# KiCad board SofleKeyboard.kicad_pcb (continued)
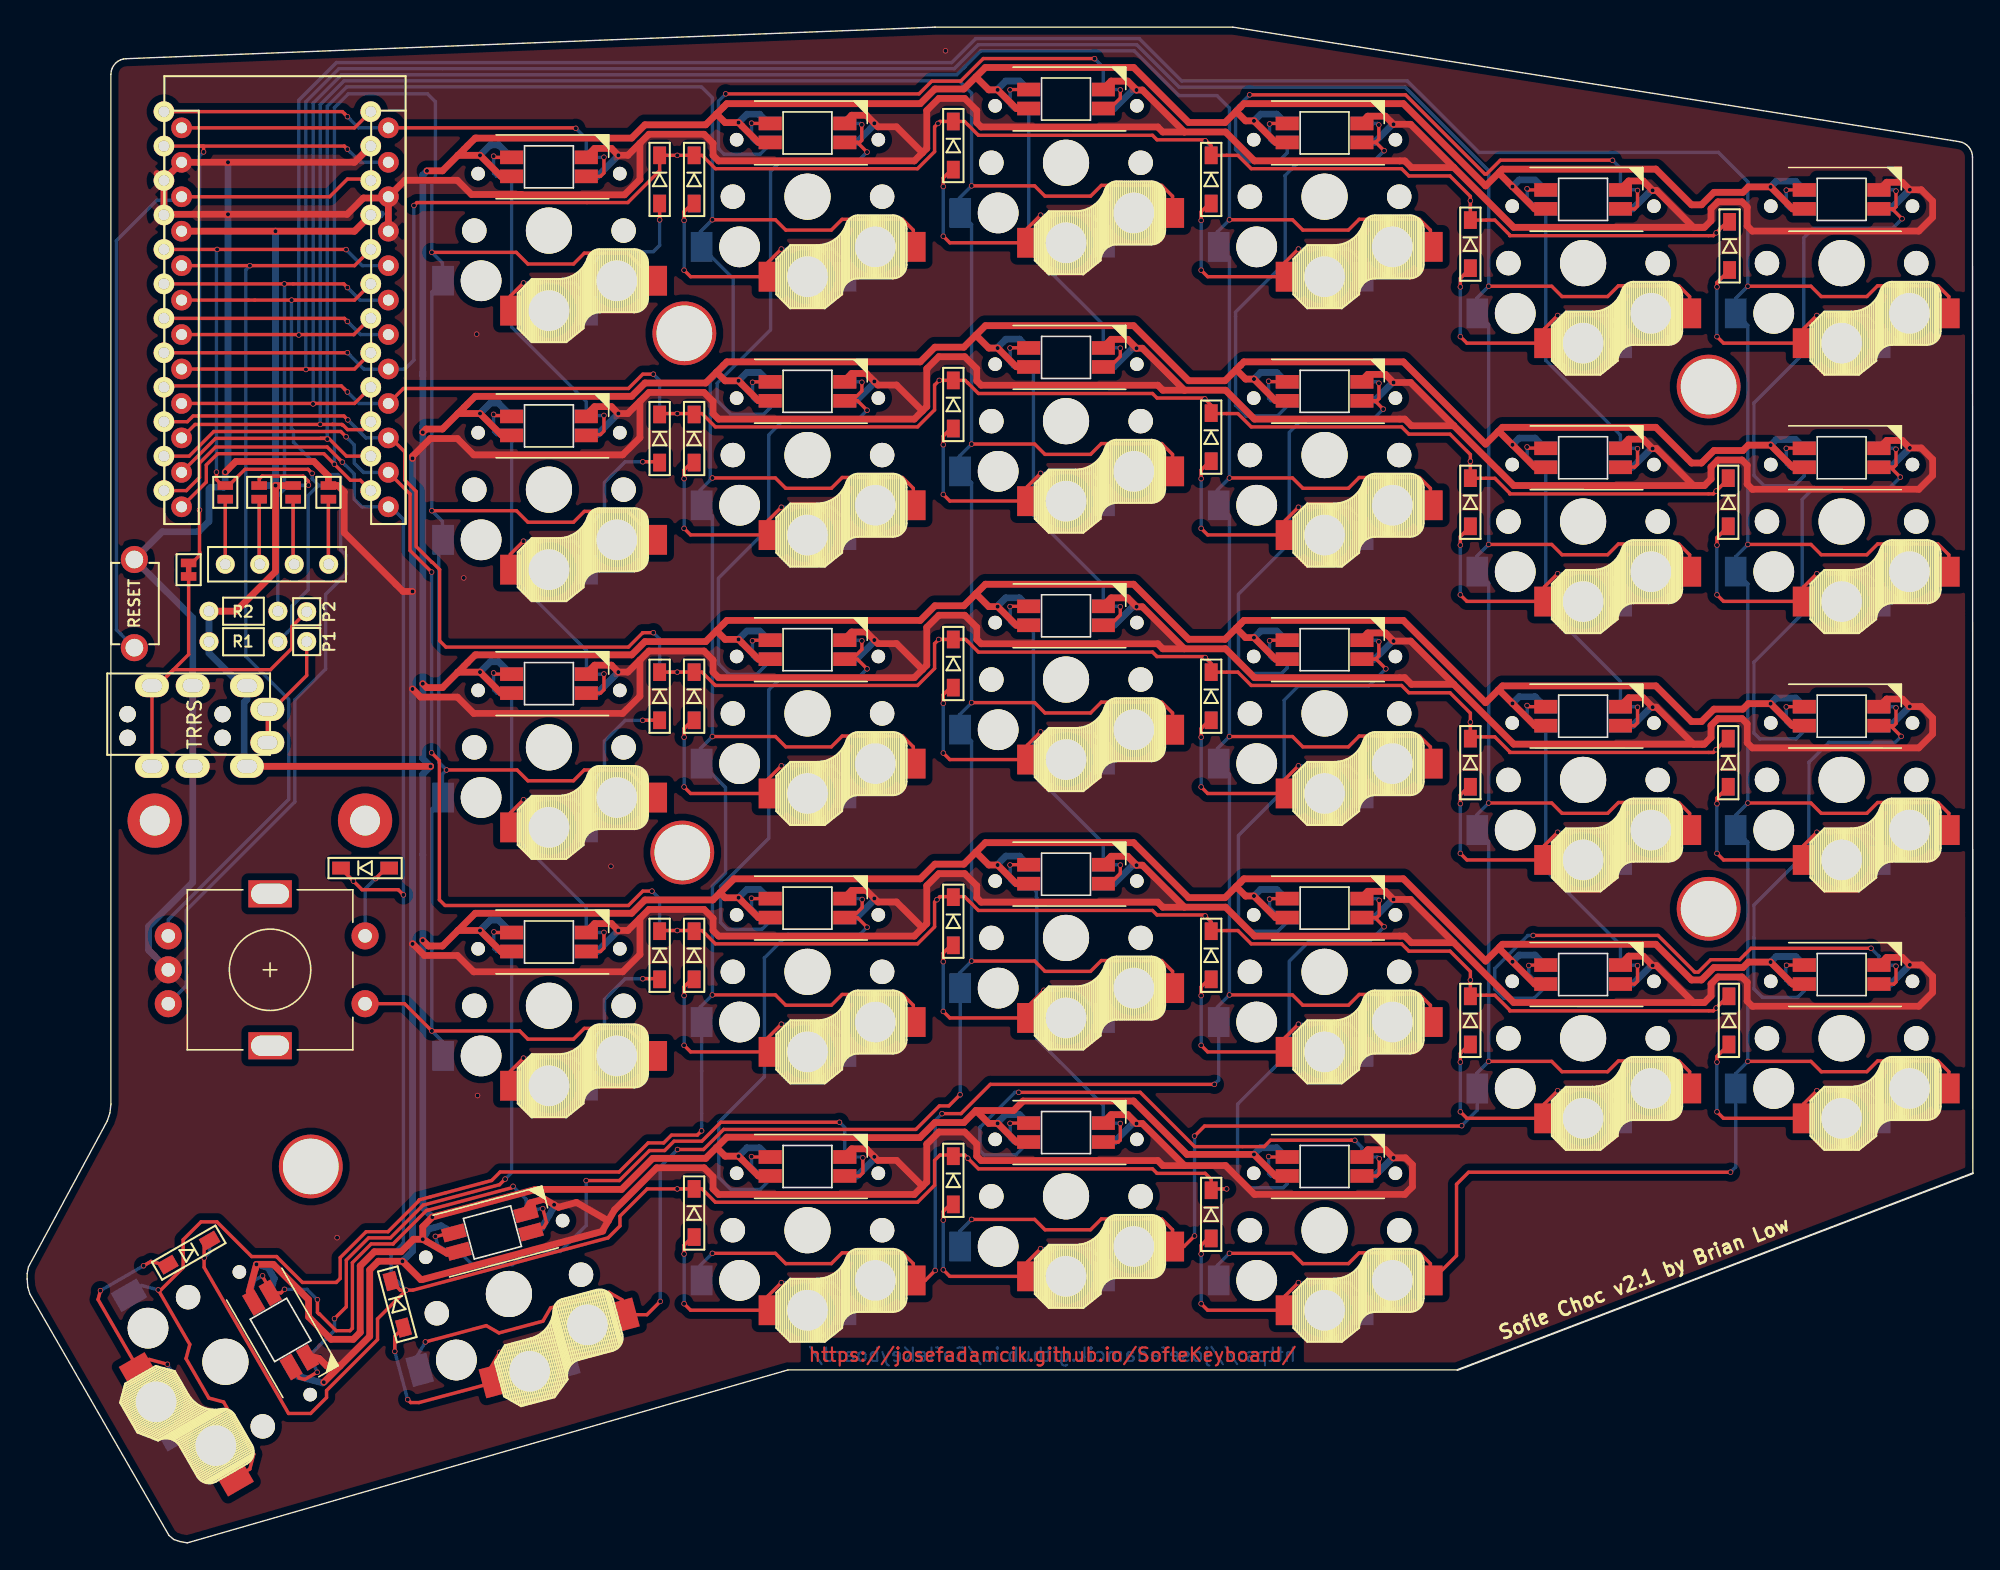
[diagram p0: board, top side]
## Routing (per net, layer and track width the routed paths; a pad name or vN(x,y) marks a point on that pad's centre or on a via; arc(x,y) is an arc through that point) (continued)
Net-(SW4-Pad2): length 49.5
  Top w0.25: SW4.2 91.59,104.65 v1(91.55,104.61) ; v1(118.66,99.71) 118.66,98.56 118.45,98.35 117.35,98.35 ; v1(116.82,101.93) 116.78,101.9 116.78,101.94 108.55,101.94 107.54,100.92 107.4,100.92 101.57,106.76 v1(90.08,106.76)
  Bottom w0.25: 117.35,99.75 118.62,99.75 v1(118.66,99.71) ; v1(91.55,104.61) 91.55,103.45 91.75,103.25 SW4.2 92.85,102.48 92.18,101.81 89.96,101.81 89.04,102.73 89.04,105.72 v1(90.08,106.76) ; SW5.4 117.4,101.35 v1(116.82,101.93)
Net-(SW6-Pad2): length 3.9
  Top w0.25: v1(129.62,99.73) 129.64,99.75 SW6.2
  Bottom w0.25: SW6.2 129.85,98.35 129.62,98.58 v1(129.62,99.73)
Net-(SW10-Pad2): length 41
  Top w0.25: v1(91.48,85.64) 91.51,85.61 92.75,85.61 ; 98.25,103.25 99.35,103.25 99.6,103.5 v1(99.6,104.54) ; SW4.4 99.38,103.25 v1(99.99,102.64)
  Bottom w0.25: 92.75,84.21 91.65,84.21 91.48,84.39 v1(91.48,85.64) ; v1(99.6,104.54) 99.49,104.65 98.25,104.65 ; 92.85,84.2 92.85,83.82 92.12,83.08 89.83,83.08 89.04,83.87 89.04,90.74 92.69,94.38 92.69,100.8 93.64,101.75 99.1,101.75 v1(99.99,102.64)
Net-(SW10-Pad4): length 40.4
  Top w0.25: v1(91.55,66.51) 91.59,66.55 SW16.2 ; v1(99.93,83.59) 99.31,84.2 98.35,84.2 99.45,84.2 99.61,84.36 v1(99.61,85.49)
  Bottom w0.25: 98.35,85.6 99.5,85.6 v1(99.61,85.49) ; v1(99.93,83.59) 99.3,82.96 94.09,82.96 93,81.87 93,73.68 89.26,69.94 89.26,64.86 90.02,64.09 92.43,64.09 92.85,64.51 SW16.2 91.75,65.15 91.55,65.35 v1(91.55,66.51)
Net-(SW11-Pad2): length 27.5
  Top w0.25: v1(110.52,80.8) 110.61,80.71 111.85,80.71 ; v1(118.66,61.61) 118.66,60.46 118.45,60.25 117.35,60.25
  Bottom w0.25: 111.85,79.31 111.31,79.31 110.52,80.1 v1(110.52,80.8) ; 117.35,61.65 118.62,61.65 v1(118.66,61.61) ; SW17.4 117.4,63.51 111.9,69.01 SW11.2
Net-(SW11-Pad4): length 27.5
  Top w0.25: v1(118.66,80.67) 118.66,79.52 118.45,79.31 117.35,79.31 ; v1(110.52,99.84) 110.61,99.75 111.85,99.75
  Bottom w0.25: 117.35,80.71 118.62,80.71 v1(118.66,80.67) ; SW5.2 111.9,87.17 117.4,81.67 SW11.4 ; 111.85,98.35 111.31,98.35 110.52,99.14 v1(110.52,99.84)
Net-(SW12-Pad2): length 41.7
  Top w0.25: v1(129.62,80.7) 129.64,80.71 130.95,80.71 ; v1(137.71,99.66) 137.71,98.51 137.55,98.35 SW6.4 137.43,98.35 v1(138.15,97.62)
  Bottom w0.25: 130.95,79.31 129.85,79.31 129.62,79.54 v1(129.62,80.7) ; 130.82,79.3 SW12.2 130.95,78.67 130.22,77.94 127.99,77.94 127.24,78.69 127.24,84.04 130.91,87.72 130.91,96.22 131.61,96.92 137.45,96.92 v1(138.15,97.62) ; v1(137.71,99.66) 137.62,99.75 SW6.4
Net-(SW12-Pad4): length 40.7
  Top w0.25: v1(129.62,61.63) 129.64,61.65 SW18.2 ; 136.45,79.31 137.55,79.31 137.71,79.47 v1(137.71,80.63) ; v1(138.03,78.57) 137.3,79.3 SW12.4
  Bottom w0.25: v1(129.62,61.63) 129.62,60.48 129.85,60.25 SW18.2 130.95,59.88 130.34,59.27 127.68,59.27 127.24,59.7 127.24,64.93 130.79,68.48 130.79,76.92 131.68,77.81 137.26,77.81 v1(138.03,78.57) ; v1(137.71,80.63) 137.62,80.71 136.45,80.71
Net-(SW13-Pad2): length 27.9
  Top w0.25: 41.15,43.6 42.25,43.6 42.5,43.85 v1(42.5,45.01) ; SW13.2 34.46,64.05 v1(34.37,64.14)
  Bottom w0.25: v1(34.37,64.14) 34.37,62.88 34.6,62.65 SW13.2 35.7,52.35 41.2,46.85 SW19.4 ; v1(42.5,45.01) 42.49,45 41.15,45
Net-(SW13-Pad4): length 27.9
  Top w0.25: 41.15,62.65 42.25,62.65 42.5,62.9 v1(42.5,64.06) ; 35.7,83.11 34.46,83.11 v1(34.37,83.2)
  Bottom w0.25: v1(34.37,83.2) 34.37,81.94 34.6,81.71 35.7,81.71 ; v1(42.5,64.06) 42.49,64.05 41.15,64.05 ; SW7.2 35.7,71.3 41.21,65.78 41.21,64.06 SW13.4
Net-(SW14-Pad2): length 40.3
  Top w0.25: v1(61.89,83.5) 61.19,84.2 60.25,84.2 60.79,84.2 61.51,84.92 v1(61.51,85.57) ; v1(53.44,66.51) 53.49,66.55 SW14.2
  Bottom w0.25: v1(61.89,83.5) 61.09,82.7 55.67,82.7 54.65,81.68 54.65,74.83 50.94,71.12 50.94,64.82 51.73,64.03 53.76,64.03 54.75,65.02 SW14.2 53.65,65.15 53.44,65.36 v1(53.44,66.51) ; v1(61.51,85.57) 61.48,85.6 60.25,85.6
Net-(SW14-Pad4): length 39.8
  Top w0.25: v1(53.37,47.53) 53.4,47.5 54.65,47.5 ; v1(61.51,66.5) 61.51,65.87 60.79,65.15 SW14.4 61.18,65.15 v1(61.89,64.44)
  Bottom w0.25: 54.65,46.1 54.11,46.1 53.37,46.84 v1(53.37,47.53) ; v1(61.51,66.5) 61.46,66.55 SW14.4 ; v1(61.89,64.44) 61.23,63.78 55.54,63.78 54.65,62.89 54.65,51.95 51.09,48.39 51.09,45.74 51.6,45.23 54.14,45.23 54.75,45.84 SW20.2
Net-(SW15-Pad2): length 27.4
  Top w0.25: v1(72.43,69.03) 72.45,69.05 73.75,69.05 ; 79.25,48.6 79.79,48.6 80.55,49.36 v1(80.55,49.97)
  Bottom w0.25: 73.75,67.65 72.65,67.65 72.43,67.87 v1(72.43,69.03) ; 79.25,50 80.52,50 v1(80.55,49.97) ; SW15.2 74.14,67.3 74.14,56.73 79.3,51.57 SW21.4
Net-(SW15-Pad4): length 27.4
  Top w0.25: v1(72.43,88.09) 72.45,88.11 73.75,88.11 ; 79.25,67.65 79.79,67.65 80.55,68.41 v1(80.55,69.02)
  Bottom w0.25: 73.75,86.71 72.65,86.71 72.43,86.94 v1(72.43,88.09) ; 79.25,69.05 80.52,69.05 v1(80.55,69.02) ; SW15.4 79.3,70.62 74.14,75.78 74.14,86.35 73.8,86.7
Net-(SW16-Pad4): length 40.2
  Top w0.25: v1(99.6,66.44) 99.6,65.4 99.35,65.15 98.25,65.15 ; v1(91.55,47.46) 91.59,47.5 SW22.2 ; SW16.4 99.41,65.15 v1(100.12,64.44)
  Bottom w0.25: v1(99.6,66.44) 99.49,66.55 98.25,66.55 ; v1(100.12,64.44) 98.85,63.18 93.67,63.18 92.62,62.13 92.62,55.52 89.26,52.16 89.26,45.74 89.89,45.11 92.18,45.11 92.85,45.78 SW22.2 92.31,46.1 91.55,46.87 v1(91.55,47.46)
Net-(SW17-Pad2): length 27.5
  Top w0.25: v1(110.52,61.74) 110.61,61.65 111.85,61.65 ; v1(118.66,42.56) 118.66,41.41 118.45,41.2 117.35,41.2
  Bottom w0.25: 111.85,60.25 111.31,60.25 110.52,61.04 v1(110.52,61.74) ; 117.35,42.6 118.62,42.6 v1(118.66,42.56) ; SW17.2 111.9,49.58 117.4,44.08 SW23.4
Net-(SW18-Pad4): length 40.4
  Top w0.25: v1(137.71,61.56) 137.71,60.41 137.55,60.25 SW18.4 137.3,60.25 v1(138.09,59.46) ; 129.58,42.63 129.61,42.6 SW24.2
  Bottom w0.25: v1(137.71,61.56) 137.62,61.65 SW18.4 ; v1(138.09,59.46) 137.64,59.01 132.76,59.01 131.29,57.55 131.29,51.08 127.24,47.02 127.24,40.84 127.87,40.22 130.47,40.22 130.95,40.7 SW24.2 129.85,41.2 129.58,41.47 129.58,42.63
  vias: v1(129.64,42.58)
Net-(SW19-Pad2): length 47
  Top w0.25: v1(21.37,12.58) 20.45,12.05 20.05,12.16 19.5,13.11 ; v1(22.65,16.53) 23.52,17.4 23.52,20.84 25.16,22.49 26.77,22.49 29.18,24.9 34.81,26.41 v1(35.22,26.82) ; v1(34.39,45.04) 34.44,45 SW19.2
  Bottom w0.25: 20.71,13.81 21.39,12.64 v1(21.37,12.58) ; v1(35.22,26.82) 35.7,27.3 SW19.2 34.6,43.6 34.39,43.81 v1(34.39,45.04) ; v1(22.65,16.53) 22.65,15.65 SW26.4
Net-(SW20-Pad4): length 40
  Top w0.25: v1(53.37,28.48) 53.4,28.45 54.65,28.45 ; v1(61.89,45.39) 61.18,46.1 SW20.4 ; SW20.4 60.47,46.1 ; SW20.4 60.79,46.1 61.53,46.84 v1(61.53,47.44)
  Bottom w0.25: 54.65,27.05 54.11,27.05 53.37,27.79 v1(53.37,28.48) ; v1(61.89,45.39) 61.36,44.86 56.06,44.86 54.33,43.13 54.33,34.37 50.97,31.01 50.97,26.95 51.86,26.06 54.02,26.06 54.75,26.79 54.75,27.05 ; v1(61.53,47.44) 61.47,47.5 SW20.4
Net-(SW21-Pad2): length 27.6
  Top w0.25: v1(72.43,49.98) 72.45,50 73.75,50 ; 79.3,29.55 80.4,29.55 80.55,29.7 v1(80.55,30.92)
  Bottom w0.25: 73.75,48.6 72.65,48.6 72.43,48.82 v1(72.43,49.98) ; v1(80.55,30.92) 80.52,30.95 SW29.4 79.3,32.27 74.4,37.17 74.4,47.56 74.36,47.59 74.36,48.03 SW21.2
Net-(SW22-Pad4): length 39.9
  Top w0.25: v1(91.48,28.48) 91.51,28.45 92.75,28.45 ; v1(99.99,45.42) 99.31,46.1 SW22.4 99.45,46.1 99.63,46.28 v1(99.63,47.37)
  Bottom w0.25: 92.75,27.05 91.65,27.05 91.48,27.22 v1(91.48,28.48) ; v1(99.99,45.42) 98.97,44.41 94.53,44.41 93,42.88 93,36.15 89.19,32.34 89.19,26.82 89.83,26.18 92.56,26.18 92.85,26.47 92.85,27.05 ; v1(99.63,47.37) 99.5,47.5 SW22.4
Net-(SW23-Pad2): length 45.4
  Top w0.25: SW24.4 137.55,41.2 137.71,41.36 v1(137.71,42.51) ; v1(110.97,44.78) 120.17,44.78 122.88,42.08 123.14,42.08 124.05,42.99 126.19,42.99 127.03,43.84 v1(135.87,43.84) ; v1(110.65,42.57) 110.68,42.6 SW23.2
  Bottom w0.25: v1(137.71,42.51) 137.62,42.6 SW24.4 136.45,43.25 v1(135.87,43.84) ; v1(110.97,44.78) 110.58,44.78 108.14,42.35 108.14,40.83 108.82,40.15 111.04,40.15 111.9,41.02 SW23.2 111.36,41.2 110.65,41.91 v1(110.65,42.57)
Net-(SW26-Pad2): length 36.6
  Top w0.25: v1(38,24.64) 38.27,23.62 38.06,23.26 37,22.97 ; v1(17.35,19.69) 17.34,19.65 17.96,18.57 ; SW26.2 18.7,18.43 v1(18.96,18.69) ; v1(35.8,26.29) 35.7,26.18 29.48,24.51 ; v1(21.39,17.93) 21.39,16.99 21.5,16.88 21.54,16.88 22.77,15.64 23.79,15.64 23.97,15.82 23.97,20.66 25.35,22.04 26.97,22.04 26.97,22.05 29.42,24.5 29.56,24.54
  Bottom w0.25: 36.63,24.33 37.94,24.68 v1(38,24.64) ; 16.75,17.87 16.48,18.34 16.75,19.35 v1(17.35,19.69) ; v1(35.8,26.29) 36.76,25.33 SW27.4 ; v1(21.39,17.93) 20.63,18.69 v1(18.96,18.69)
Net-(SW27-Pad2): length 44.9
  Top w0.25: v1(30.08,22.6) 30.12,22.58 31.32,22.9 ; v1(61.58,28.39) 61.58,27.28 61.35,27.05 60.25,27.05 ; v1(59.86,31.01) 51.11,31.01 49.71,29.61 47.67,29.61 46.98,28.93 45.86,28.93 43.64,26.71 v1(41.19,26.71)
  Bottom w0.25: 31.68,21.55 31.17,21.41 30.26,21.94 v1(30.08,22.6) ; v1(61.58,28.39) 61.52,28.45 SW28.4 60.25,30.62 v1(59.86,31.01) ; v1(41.19,26.71) 41.19,23.39 39.28,21.49 36.74,21.49 35.77,20.51 32.8,20.51 SW27.2
Net-(SW29-Pad2): length 45.5
  Top w0.25: v1(72.43,30.93) 72.45,30.95 73.75,30.95 ; v1(97.83,29.68) 97.58,29.68 97.57,29.68 91.61,29.68 91.15,29.22 86.02,29.22 82.02,33.22 v1(73.07,33.22) ; v1(99.63,28.32) 99.63,27.23 99.45,27.05 98.35,27.05
  Bottom w0.25: 73.75,29.55 72.65,29.55 72.43,29.77 v1(72.43,30.93) ; v1(97.83,29.68) 98.35,29.16 SW30.4 99.5,28.45 v1(99.63,28.32) ; v1(73.07,33.22) 72.78,33.22 70.21,30.64 70.21,28.91 70.53,28.6 72.85,28.6 73.8,29.55
Net-(U1-Pad7): length 17
  Top w0.25: U1.7 23.37,90.28 v1(23.6,90.05)
  Bottom w0.25: U1.7 24.57,89.08 v1(23.6,90.05)
Net-(U1-Pad24): length 14.4
  Top w0.25: U1.24 24.12,104.32 U1.24

## Copper pours and planes (outline as drawn; the poured copper is in the pictures)
GND on Top: -1.15,19.55 10.8,-0.9 55.9,11.8 75.15,11.7 105.35,11.9 143.8,25.25 143.9,103.95 89.6,112.45 5.35,110.15 5.7,31.75
GND on Bottom: -1.25,19.5 10.5,-1.1 56,11.9 105.35,11.45 144.5,25.05 143.7,103.45 89.4,112.55 5.5,109.85 5.85,32.1

## Text on the board
Bottom: https://josefadamcik.github.io/SofleKeyboard/
B.SilkS: Sofle Choc v2.1 by Brian Low
Eco1.User: s26 | s27 | s1 | s7 | s13 | s19 | s2 | s14 | s20 | s28 | s8 | s21 | s3 | s15 | s9 | s29 | s16 | s22 | s30 | s4 | s10 | s11 | s5 | s17 | s23 | s12 | s6 | s18 | s24
Top: https://josefadamcik.github.io/SofleKeyboard/
F.SilkS: Sofle Choc v2.1 by Brian Low
